# Allegro board Single PMT Data AcquisitionV_3P3.brd (continued)
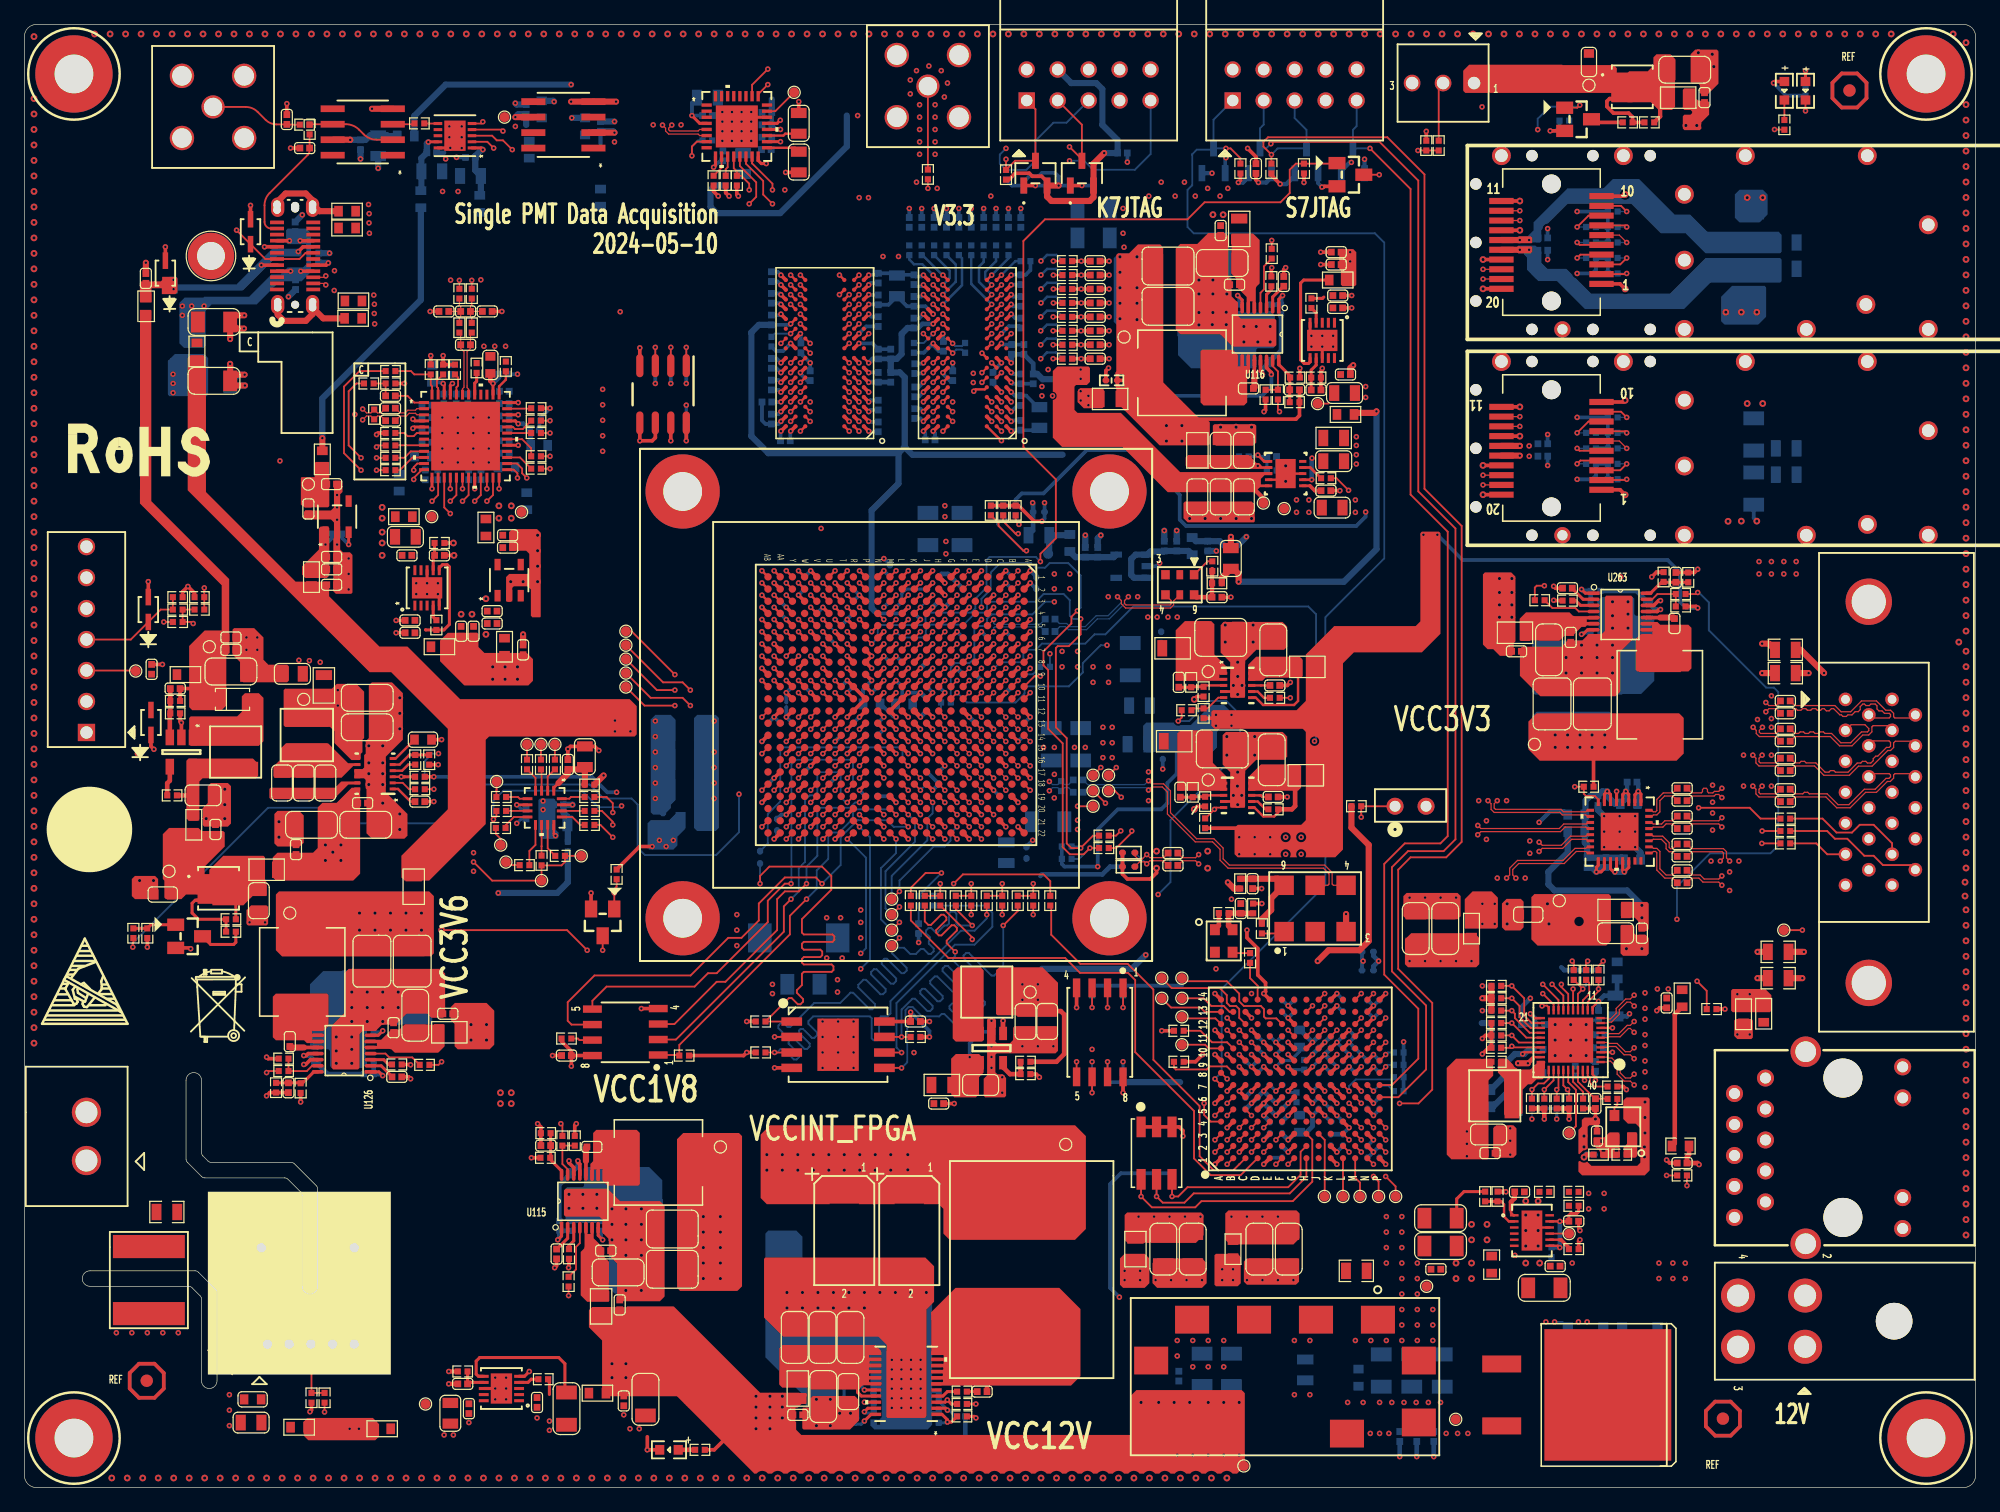
[diagram p0: board, top side]
## Routing (per net, layer and track width the routed paths; a pad name or vN(x,y) marks a point on that pad's centre or on a via; arc(x,y) is an arc through that point) (continued)
DDR3_A_A4: length 87.1
  TOP w0.203: U75.P8 v1(62.83,97.84) ; U76.P8 v1(74.52,97.84) ; U1.V10 v1(64.48,66.19)
  ART03 w0.102: 61.71,97.44 62.43,97.44 v1(62.83,97.84) U75.P8 65.07,97.44 65.87,98.24 69.97,98.24 70.07,98.14 70.07,97.98 70.17,97.88 70.38,97.88 70.48,97.98 70.48,98.14 70.58,98.24 72.24,98.24 73.04,97.44 73.9,97.44 74.3,97.84 v1(74.52,97.84) 74.75,97.84 75.15,97.44 76.15,97.44 76.95,98.24 82.15,98.24 v1(83.36,99.45)
  ART03 w0.165: v1(64.48,66.19) 64.48,65.96 64.01,65.49 64.01,65.06 63.67,64.72 61.06,64.72 60.5,65.28 58.76,65.28 56.13,67.91 56.13,74.45 55.97,74.62 54.91,74.62 54.74,74.79 54.74,75.12 54.91,75.28 55.97,75.28 56.13,75.45 56.13,75.78 55.97,75.94 54.91,75.94 54.74,76.11 54.74,76.44 54.91,76.6 55.97,76.6 56.13,76.77 56.13,77.1 55.97,77.26 54.91,77.26 54.74,77.43 54.74,77.76 54.91,77.92 55.97,77.92 56.13,78.09 56.13,78.42 55.97,78.58 54.91,78.58 54.74,78.75 54.74,79.08 54.91,79.24 55.97,79.24 56.13,79.41 56.13,80.43 56.52,80.81 56.52,84.32 54.96,85.88 54.96,86.43 55.12,86.6 55.36,86.6 55.53,86.76 55.53,87.09 55.36,87.26 55.12,87.26 54.96,87.42 54.96,87.75 55.12,87.92 55.36,87.92 55.53,88.08 55.53,88.41 55.36,88.58 55.12,88.58 54.96,88.74 54.96,93.38 55.2,93.62 55.43,93.62 55.73,93.31 55.97,93.31 56.2,93.55 56.2,93.78 55.9,94.08 55.9,94.32 56.86,95.28 56.86,96.51 57.8,97.44 58.59,97.44 58.87,97.16 59.25,97.16 59.53,97.44 59.91,97.44 60.19,97.16 60.57,97.16 60.85,97.44 61.71,97.44
  BOTTOM w0.203: R464.2 84.61,99.95 83.86,99.95 v1(83.36,99.45)
DDR3_A_A5: length 72.6
  TOP w0.203: U1.AB6 v1(60.48,70.19) ; U75.P2 v1(68.44,97.84) ; U76.P2 v1(80.12,97.84) ; R465.2 v1(84.38,99.44)
  ART06 w0.102: v1(84.38,99.44) 83.87,98.93 82.47,98.93 81.78,98.24 80.52,98.24 v1(80.12,97.84) U76.P2 71.65,97.44 71.46,97.63 71.25,97.63 71.06,97.44 68.84,97.44 v1(68.44,97.84) U75.P2 65.81,97.44 64.14,95.76 64.14,95.37 63.8,95.04 62.61,95.04
  ART06 w0.178: v1(60.48,70.19) 59.8,70.86 59.55,70.86 59.06,70.37 58.81,70.37 58.56,70.63 58.56,70.88 59.05,71.37 59.05,71.62 58.51,72.16 58.51,72.55 58.69,72.73 59.41,72.73 60.3,73.62 60.54,73.62 61.05,74.13 61.05,74.37 61.3,74.62 61.52,74.62 61.91,75.01 61.91,75.51 61.29,76.12 61.29,78.14 60.55,78.88 59.93,78.88 59.3,79.51 59.3,80.68 59.48,80.86 60.71,80.86 60.88,81.04 60.88,81.4 60.71,81.57 59.48,81.57 59.3,81.75 59.3,82.11 59.48,82.28 60.71,82.28 60.88,82.46 60.88,82.82 60.71,83 59.48,83 59.3,83.17 59.3,83.53 59.48,83.71 60.71,83.71 60.88,83.89 60.88,84.24 60.71,84.42 59.48,84.42 59.3,84.6 59.3,84.95 59.48,85.13 60.71,85.13 60.88,85.31 60.88,85.66 60.71,85.84 59.48,85.84 59.3,86.02 59.3,86.26 59.31,86.27 59.31,86.6 59.49,86.78 59.56,86.78 59.74,86.96 59.74,87.31 59.56,87.49 59.49,87.49 59.31,87.67 59.31,87.82 59.49,88 60.45,88 60.63,88.18 60.63,90.79 59.56,91.86 59.56,92.86 61.74,95.04 62.61,95.04
DDR3_A_A6: length 77.7
  TOP w0.203: U1.AA9 v1(61.48,67.19) ; U76.R8 v1(74.52,98.64) ; U75.R8 v1(62.83,98.64)
  ART03 w0.102: v1(83.36,100.59) 81.8,99.04 76.29,99.04 75.48,98.24 75.15,98.24 74.75,98.64 v1(74.52,98.64)
  ART06 w0.102: 61.81,98.24 62.43,98.24 v1(62.83,98.64) U75.R8 71.05,98.24 71.15,98.34 71.15,98.44 71.25,98.54 71.45,98.54 71.56,98.44 71.56,98.34 71.66,98.24 74.12,98.24 v1(74.52,98.64)
  ART06 w0.178: 61.81,98.24 61.63,98.42 59.41,98.42 57.78,96.8 57.37,96.39 57.37,80.29 56.1,79.02 56.1,78.77 56.55,78.32 56.55,78.07 56.3,77.82 56.05,77.82 55.6,78.27 55.35,78.27 55.05,77.97 55.05,77.26 55.23,77.08 56.35,77.08 56.53,76.9 56.53,76.54 56.35,76.37 55.23,76.37 55.05,76.19 55.05,67.97 55.87,67.15 56.21,67.15 56.39,67.33 56.39,68.02 56.57,68.19 56.92,68.19 57.1,68.02 57.1,67.08 57.28,66.9 57.48,66.9 57.66,67.08 57.66,67.52 57.84,67.7 58.19,67.7 58.37,67.52 58.37,67.08 58.55,66.9 58.73,66.9 58.91,67.08 58.91,67.5 59.09,67.68 59.44,67.68 59.62,67.5 59.62,67.08 59.8,66.9 60.16,66.9 60.3,66.76 61.05,66.76 v1(61.48,67.19)
  BOTTOM w0.203: v1(83.36,100.59) 83.86,101.09 84.61,101.09 R466.2
DDR3_A_A7: length 72.9
  TOP w0.203: U75.R2 v1(68.44,98.64) ; U1.AA10 v1(61.48,66.19) ; R467.2 85.11,100.59 v1(84.38,100.59) ; U76.R2 v1(80.12,98.64)
  ART06 w0.102: v1(84.38,100.59) 83.83,100.05 82.33,100.05 81.32,99.04 80.52,99.04 v1(80.12,98.64) 79.72,99.04 68.84,99.04 v1(68.44,98.64)
  ART06 w0.178: v1(68.44,98.64) 66.74,100.33 59.94,100.33 56.4,96.79 56.4,80.69 54.08,78.37 54.08,67.57 56.56,65.1 60.38,65.1 v1(61.48,66.19)
DDR3_A_A8: length 77.8
  TOP w0.203: U1.U11 v1(65.48,65.19) ; U75.T8 v1(62.83,99.44) ; U76.T8 v1(74.52,99.44)
  ART03 w0.102: v1(74.52,99.44) 73.75,100.2 65.1,100.2 63.94,99.04 U75.T8 v1(62.83,99.44) 62.43,99.04 61.68,99.04
  ART03 w0.165: v1(65.48,65.19) 65.48,64.97 64.52,64.01 60.25,64.01 59.97,64.29 58.42,64.29 56.37,66.34 56.14,66.34 56.02,66.22 55.79,66.22 55.56,66.45 55.56,66.69 55.67,66.8 55.67,67.04 55.44,67.27 55.21,67.27 55.09,67.16 54.86,67.16 54.62,67.39 54.62,67.62 54.74,67.74 54.74,67.97 54.51,68.21 54.27,68.21 54.16,68.09 53.92,68.09 53.69,68.32 53.69,68.56 53.8,68.67 53.8,77.25 51.09,79.96 51.09,84.51 51.57,84.99 51.8,84.99 52.19,84.6 52.42,84.6 52.65,84.83 52.65,85.07 52.27,85.45 52.27,85.69 52.57,85.99 52.57,87.62 52.73,87.78 53.14,87.78 53.31,87.95 53.31,88.28 53.14,88.44 52.73,88.44 52.57,88.61 52.57,88.94 52.73,89.1 53.14,89.1 53.31,89.27 53.31,89.6 53.14,89.76 52.73,89.76 52.57,89.93 52.57,92.14 52.73,92.3 53.14,92.3 53.3,92.47 53.3,92.8 53.14,92.97 52.73,92.97 52.57,93.13 52.57,93.7 57.91,99.04 58.5,99.04 58.79,98.75 59.16,98.75 59.45,99.04 59.82,99.04 60.11,98.75 60.48,98.75 60.77,99.04 61.68,99.04
  BOTTOM w0.203: R468.2 72.56,100.71 72.94,100.33 73.63,100.33 v1(74.52,99.44)
DDR3_A_A9: length 65.8
  TOP w0.203: U75.R3 v1(66.83,97.84) ; U76.R3 v1(79.32,98.64) ; U1.AB7 v1(60.48,69.19)
  ART06 w0.102: v1(66.83,97.84) 65.8,97.84 63.8,95.84 61.85,95.84
  ART06 w0.178: 61.85,95.84 61.42,95.4 61.17,95.4 60.59,95.98 60.34,95.98 60.09,95.72 60.09,95.47 60.66,94.9 60.66,94.65 60.35,94.33 60.09,94.33 59.57,94.85 59.32,94.85 59.07,94.6 59.07,94.35 59.59,93.83 59.59,93.58 58.82,92.8 58.82,92.58 59.07,92.32 59.07,91.87 58.82,91.61 58.82,91 58.99,90.82 59.91,90.82 60.09,90.64 60.09,90.29 59.91,90.11 58.99,90.11 58.82,89.93 58.82,89.55 58.99,89.37 59.97,89.37 60.15,89.19 60.15,88.84 59.97,88.66 58.99,88.66 58.82,88.48 58.82,78.73 59.15,78.4 60.35,78.4 60.81,77.94 60.81,75.59 61,75.4 61,74.91 60.79,74.7 59.63,74.7 58,73.07 58,69.53 58.34,69.19 v1(60.48,69.19)
  ART08 w0.102: v1(66.83,97.84) 68.04,99.04 78.92,99.04 v1(79.32,98.64)
  BOTTOM w0.203: R469.2 79.68,100.58 78.79,99.7 78.79,99.17 v1(79.32,98.64)
DDR3_A_A10: length 88.6
  TOP w0.203: U1.R7 v1(67.48,69.19) ; U75.L7 v1(63.63,95.44) ; U76.L7 v1(75.32,95.44)
  ART03 w0.102: 61.48,95.04 63.23,95.04 v1(63.63,95.44) U75.L7 70.7,95.04 70.81,94.94 70.81,94.64 70.91,94.53 71.11,94.53 71.21,94.64 71.21,94.94 71.31,95.04 74.92,95.04 v1(75.32,95.44) 76.92,95.44 77.32,95.84 83.17,95.84 v1(83.34,96.01)
  ART03 w0.165: v1(67.48,69.19) 66.93,69.74 66.93,70.48 66.67,70.74 66.42,70.74 66.04,70.36 66.04,68.87 65.87,68.71 65.15,68.71 65.02,68.83 65.02,70.57 64.86,70.74 64.14,70.74 64.01,70.61 64.01,68.12 63.6,67.72 62.88,67.72 62.71,67.55 62.71,67.16 62.55,67 62.22,67 62.05,67.16 62.05,67.55 61.89,67.72 60.35,67.72 59.12,68.95 59.12,69.23 59.28,69.4 59.97,69.4 60.14,69.56 60.14,69.89 59.97,70.06 59.28,70.06 59.12,70.22 59.12,75.91 59.59,76.38 59.59,76.89 59.42,77.06 59.09,77.06 58.92,77.22 58.92,77.55 59.09,77.72 59.42,77.72 59.59,77.89 59.59,78.22 59.42,78.38 59.09,78.38 58.92,78.55 58.92,78.88 59.09,79.04 59.42,79.04 59.59,79.21 59.59,79.54 59.42,79.7 59.09,79.7 58.92,79.87 58.92,80.2 59.09,80.36 59.42,80.36 59.59,80.53 59.59,80.86 59.42,81.02 59.09,81.02 58.92,81.19 58.92,81.52 59.09,81.68 59.42,81.68 59.59,81.85 59.59,82.18 59.42,82.34 59.09,82.34 58.92,82.51 58.92,82.84 59.09,83 59.42,83 59.59,83.17 59.59,83.5 59.42,83.66 59.09,83.66 58.92,83.83 58.92,84.16 59.09,84.32 59.42,84.32 59.59,84.49 59.59,84.82 59.42,84.98 59.09,84.98 58.92,85.15 58.92,85.48 59.09,85.64 59.42,85.64 59.59,85.81 59.59,86.33 58.69,87.23 58.69,87.3 58.53,87.46 58.12,87.46 57.95,87.63 57.95,87.96 58.12,88.12 58.53,88.12 58.69,88.29 58.69,88.62 58.53,88.78 58.12,88.78 57.95,88.95 57.95,89.28 58.12,89.44 58.53,89.44 58.69,89.61 58.69,89.94 58.53,90.1 58.12,90.1 57.95,90.27 57.95,90.6 58.12,90.76 58.53,90.76 58.69,90.93 58.69,91.26 58.53,91.42 58.12,91.42 57.95,91.59 57.95,91.92 58.12,92.08 58.53,92.08 59.56,93.12 59.56,93.35 59.04,93.87 59.04,94.11 59.27,94.34 59.51,94.34 60.03,93.82 60.26,93.82 60.5,94.05 60.5,94.29 59.97,94.81 59.97,95.04 60.21,95.28 60.44,95.28 60.96,94.75 61.2,94.75 61.48,95.04
  BOTTOM w0.203: R470.2 84.61,96.52 83.85,96.52 v1(83.34,96.01)
DDR3_A_A11: length 78.8
  TOP w0.203: U75.R7 v1(63.63,98.64) ; U1.U10 v1(65.48,66.19) ; U76.R7 v1(75.32,98.64)
  ART03 w0.102: v1(75.32,98.64) 74.92,99.04 73.35,99.04 72.52,99.87 70.49,99.87 70.39,99.77 70.39,99.76 70.29,99.66 70.08,99.66 69.98,99.76 69.98,99.77 69.88,99.87 65.53,99.87 64.3,98.64 v1(63.63,98.64) 63.23,98.24 61.77,98.24
  ART03 w0.165: 61.77,98.24 57.93,98.24 56.08,96.38 56.08,96.15 56.39,95.84 56.39,95.6 56.16,95.37 55.92,95.37 55.61,95.68 55.37,95.68 55.19,95.49 55.19,95.26 55.53,94.92 55.53,94.69 55.3,94.45 55.06,94.45 54.72,94.79 54.49,94.79 53.84,94.15 53.84,92.78 54,92.62 54.29,92.62 54.46,92.45 54.46,92.12 54.29,91.96 54,91.96 53.84,91.79 53.84,90.32 54,90.15 54.05,90.15 54.21,89.99 54.21,89.66 54.05,89.49 54,89.49 53.84,89.33 53.84,88.37 54,88.21 54.3,88.21 54.47,88.04 54.47,87.71 54.3,87.55 54,87.55 53.84,87.38 53.84,85.28 51.56,83 51.56,80.18 54.27,77.46 54.27,74.15 54.44,73.99 55.12,73.99 55.29,73.82 55.29,73.49 55.12,73.33 54.44,73.33 54.27,73.16 54.27,72.83 54.44,72.67 55.12,72.67 55.29,72.5 55.29,72.17 55.12,72.01 54.44,72.01 54.27,71.84 54.27,71.01 55.46,69.82 55.46,67.92 58.57,64.81 59.96,64.81 60.38,64.39 64.39,64.39 65.02,65.02 65.02,65.74 v1(65.48,66.19)
  BOTTOM w0.203: R471.2 75.87,99.8 75.87,99.19 v1(75.32,98.64)
DDR3_A_A12: length 69.7
  TOP w0.203: U75.N7 v1(63.63,97.04) ; U1.AB8 v1(60.48,68.19) ; U76.N7 v1(75.32,97.04)
  ART03 w0.102: v1(63.63,97.04) 66.76,97.04 67.17,97.44 71.55,97.44 71.96,97.03 73.88,97.03 74.3,97.44 74.72,97.44 75.12,97.04 v1(75.32,97.04)
  ART06 w0.102: 61.81,97.44 63.23,97.44 v1(63.63,97.04)
  ART06 w0.178: 61.81,97.44 61.31,97.94 59.61,97.94 57.85,96.19 57.85,79.39 57.03,78.57 57.03,75.86 56.86,75.68 55.76,75.68 55.58,75.51 55.58,75.15 55.76,74.97 56.86,74.97 57.03,74.79 57.03,74.44 56.86,74.26 55.76,74.26 55.58,74.08 55.58,73.73 55.76,73.55 56.86,73.55 57.03,73.37 57.03,73.02 56.86,72.84 55.76,72.84 55.58,72.66 55.58,72.31 55.76,72.13 56.86,72.13 57.03,71.95 57.03,71.59 56.86,71.42 55.76,71.42 55.58,71.24 55.58,70.88 55.76,70.71 56.86,70.71 57.03,70.53 57.03,70.13 56.86,69.95 55.77,69.95 55.6,69.78 55.6,69.42 55.77,69.24 56.86,69.24 57.03,69.06 57.03,68.77 57.61,68.19 v1(60.48,68.19)
  BOTTOM w0.203: R472.2 76.88,100.82 76.88,98.6 v1(75.32,97.04)
DDR3_A_A13: length 67.1
  TOP w0.203: U76.T3 v1(79.32,99.44) ; U75.T3 v1(66.83,99.44) ; U1.AB10 v1(60.48,66.19)
  ART06 w0.102: v1(66.83,99.44) 66.44,99.04 61.55,99.04
  ART06 w0.178: v1(60.48,66.19) 60.37,66.19 59.76,65.58 59.57,65.58 59.39,65.76 59.39,66.09 59.21,66.27 58.86,66.27 58.68,66.09 58.68,65.76 58.5,65.58 58.36,65.58 58.18,65.76 58.18,66.24 58.01,66.42 57.65,66.42 57.47,66.24 57.47,65.76 57.3,65.58 56.76,65.58 54.57,67.77 54.57,78.17 56.62,80.23 56.89,80.49 56.89,96.59 59.34,99.04 59.65,99.04 59.93,99.32 60.37,99.32 60.65,99.04 61.55,99.04
  ART08 w0.102: v1(66.83,99.44) 67.8,99.84 78.35,99.84 v1(79.32,99.44)
  BOTTOM w0.203: R473.2 80.69,100.81 v1(79.32,99.44)
DDR3_A_A14: length 81.2
  TOP w0.203: U76.T7 v1(75.32,99.44) ; U1.T11 v1(66.48,65.19) ; U75.T7 v1(63.63,99.44)
  ART03 w0.102: v1(63.63,99.44) 64.75,100.56 74.2,100.56 v1(75.32,99.44)
  ART03 w0.165: v1(66.48,65.19) 64.91,63.63 57.66,63.63 53.22,68.07 53.22,69.98 53.05,70.14 52.55,70.14 52.38,70.31 52.38,70.64 52.55,70.8 53.05,70.8 53.22,70.97 53.22,71.3 53.05,71.46 52.55,71.46 52.38,71.63 52.38,71.96 52.55,72.12 53.05,72.12 53.22,72.29 53.22,72.62 53.05,72.78 52.55,72.78 52.38,72.95 52.38,73.28 52.55,73.44 53.05,73.44 53.22,73.61 53.22,73.94 53.05,74.1 52.55,74.1 52.38,74.27 52.38,74.6 52.55,74.76 53.05,74.76 53.22,74.93 53.22,75.26 53.05,75.42 52.55,75.42 52.38,75.59 52.38,75.92 52.55,76.08 53.05,76.08 53.22,76.25 53.22,77.05 50.62,79.65 50.62,84.96 51.3,85.64 51.3,93.7 57.55,99.95 63.12,99.95 v1(63.63,99.44)
  BOTTOM w0.203: R474.2 73.65,101.07 75.28,99.44 v1(75.32,99.44)
DDR3_A_A15: length 86.6
  TOP w0.203: U1.V8 v1(64.48,68.19) ; U75.M7 v1(63.63,96.24) ; U76.M7 v1(75.32,96.24)
  ART03 w0.102: v1(83.36,97.16) 82.84,96.64 77.32,96.64 76.92,96.24 v1(75.32,96.24) 74.92,95.84 71.22,95.84 71.12,95.74 71.12,95.56 71.01,95.46 70.81,95.46 70.71,95.56 70.71,95.74 70.61,95.84 U75.M7 v1(63.63,96.24) 62.91,96.24 62.51,95.84
  ART03 w0.165: v1(64.48,68.19) 64.48,67.52 63.63,66.67 60.39,66.67 58.42,68.65 58.42,74.05 58.25,74.21 57.24,74.21 57.07,74.38 57.07,74.71 57.24,74.88 58.25,74.88 58.42,75.04 58.42,75.37 58.25,75.54 57.24,75.54 57.07,75.7 57.07,76.03 57.24,76.2 58.25,76.2 58.42,76.36 58.42,76.69 58.25,76.86 57.24,76.86 57.07,77.02 57.07,77.35 58.45,78.73 58.45,80.11 58.29,80.28 57.62,80.28 57.46,80.44 57.46,80.77 57.62,80.94 58.29,80.94 58.45,81.1 58.45,81.43 58.29,81.6 57.62,81.6 57.46,81.76 57.46,82.09 57.62,82.26 58.29,82.26 58.45,82.42 58.45,82.75 58.29,82.92 57.62,82.92 57.46,83.08 57.46,83.41 57.62,83.58 58.29,83.58 58.45,83.75 58.45,83.93 57.48,84.9 57.48,85.77 57.65,85.93 58.6,85.93 58.76,86.1 58.76,86.43 58.6,86.59 57.65,86.59 57.48,86.76 57.48,87.92 57.32,88.09 56.85,88.09 56.69,88.25 56.69,88.58 56.85,88.75 57.32,88.75 57.48,88.91 57.48,89.24 57.32,89.41 56.85,89.41 56.69,89.57 56.69,89.9 56.85,90.07 57.32,90.07 57.48,90.23 57.48,90.56 57.32,90.73 56.85,90.73 56.69,90.9 56.69,91.23 56.85,91.39 57.32,91.39 57.48,91.56 57.48,91.89 57.32,92.05 56.85,92.05 56.69,92.22 56.69,92.55 56.85,92.71 57.32,92.71 57.48,92.88 57.48,93.21 57.67,93.4 57.9,93.4 58.4,92.9 58.64,92.9 58.87,93.13 58.87,93.36 58.37,93.87 58.37,94.1 59.24,94.97 59.24,95.2 58.79,95.65 58.79,95.88 59.03,96.12 59.26,96.12 59.71,95.67 59.94,95.67 60.08,95.81 62.48,95.81 62.51,95.84
  BOTTOM w0.203: R475.2 84.61,97.66 83.87,97.66 v1(83.36,97.16)
DDR3_A_BA0: length 79.2
  TOP w0.203: U76.M2 v1(80.12,96.24) ; U1.U8 v1(65.48,68.19) ; U75.M2 v1(68.44,96.24) ; R476.2 v1(84.36,94.87)
  ART08 w0.102: 61.64,96.64 64.97,96.64 65.77,95.84 U75.M2 v1(68.44,96.24) 68.84,95.84 U76.M2 v1(80.12,96.24) 80.63,95.73 81.9,95.73 82.28,95.35 83.88,95.35 v1(84.36,94.87)
  ART08 w0.165: v1(65.48,68.19) 65.48,67.79 64.43,66.75 57.87,66.75 52.5,72.12 52.5,78.38 52.92,78.8 55.17,78.8 56.87,80.49 56.87,82.89 55.17,84.58 53.32,84.58 52.5,85.4 52.5,88.06 52.8,88.36 53.04,88.36 53.27,88.13 53.5,88.13 53.74,88.36 53.74,88.6 53.5,88.83 53.5,89.06 54.08,89.64 54.74,89.64 55.21,90.11 55.21,91.58 60.27,96.64 61.64,96.64
DDR3_A_BA1: length 91.2
  TOP w0.203: U75.N8 v1(62.83,97.04) ; U1.T10 v1(66.48,66.19) ; U76.N8 v1(74.52,97.04)
  ART03 w0.102: 61.8,96.64 62.43,96.64 v1(62.83,97.04) U75.N8 70.34,96.64 70.44,96.54 70.44,96.4 70.54,96.3 70.75,96.3 70.85,96.4 70.85,96.54 70.95,96.64 74.12,96.64 v1(74.52,97.04) U76.N8 76.37,96.64 77.17,97.44 82.5,97.44 v1(83.36,98.3)
  ART03 w0.165: v1(66.48,66.19) 65.99,66.67 64.26,66.67 64.01,66.42 64.01,66.04 63.63,65.66 60.41,65.66 59.31,66.75 59.08,66.75 58.63,66.31 58.4,66.31 58.17,66.54 58.17,66.77 58.61,67.22 58.61,67.45 58.38,67.69 58.15,67.69 57.7,67.24 57.47,67.24 57.23,67.47 57.23,67.71 57.68,68.15 57.68,68.39 57.56,68.5 57.56,68.74 57.73,68.9 57.78,68.9 57.95,69.07 57.95,69.4 57.78,69.56 56.77,69.56 56.6,69.73 56.6,70.06 56.77,70.22 57.78,70.22 57.95,70.39 57.95,70.72 57.78,70.88 56.77,70.88 56.6,71.05 56.6,71.38 56.77,71.54 57.78,71.54 57.95,71.71 57.95,72.04 57.78,72.2 56.77,72.2 56.6,72.37 56.6,72.7 56.77,72.87 57.78,72.87 57.95,73.03 57.95,73.36 57.78,73.53 56.77,73.53 56.6,73.69 56.6,77.55 56.99,77.93 56.99,78.9 57.16,79.06 57.78,79.06 57.94,79.23 57.94,79.56 57.78,79.72 57.16,79.72 56.99,79.89 56.99,84.84 56.22,85.62 56.22,86.65 56.38,86.82 56.78,86.82 56.94,86.98 56.94,87.31 56.78,87.48 56.38,87.48 56.22,87.64 56.22,88.85 56.05,89.02 55.59,89.02 55.43,89.18 55.43,89.51 55.59,89.68 56.05,89.68 56.22,89.84 56.22,90.17 56.05,90.34 55.59,90.34 55.43,90.5 55.43,90.83 55.59,91 56.05,91 56.22,91.16 56.22,91.49 56.05,91.66 55.59,91.66 55.43,91.82 55.43,92.16 55.59,92.32 56.05,92.32 56.22,92.49 56.22,92.74 56.73,93.25 56.73,94.48 57.21,94.96 57.44,94.96 57.86,94.54 58.09,94.54 58.33,94.77 58.33,95.01 57.91,95.43 57.91,95.66 58.07,95.83 58.07,96.06 57.69,96.44 57.69,96.67 57.93,96.9 58.16,96.9 58.54,96.53 58.77,96.53 58.88,96.64 61.8,96.64
  BOTTOM w0.203: R477.2 84.61,98.81 83.87,98.81 v1(83.36,98.3)
DDR3_A_BA2: length 77.7
  TOP w0.203: U75.M3 v1(67.64,96.24) ; U76.M3 v1(79.32,96.24) ; U1.W10 v1(63.48,66.19) ; R478.2 v1(84.36,96.01)
  ART08 w0.102: v1(84.36,96.01) 83.73,96.64 79.72,96.64 v1(79.32,96.24) 78.92,96.64 68.04,96.64 v1(67.64,96.24) 66.11,96.24 64.91,97.44 61.52,97.44
  ART08 w0.165: v1(63.48,66.19) 62.97,65.68 58.27,65.68 52.03,71.93 52.03,78.6 52.7,79.27 54.98,79.27 56.4,80.69 56.4,82.69 54.98,84.11 52.68,84.11 52.03,84.77 52.03,88.25 53.89,90.11 54.55,90.11 54.71,90.28 54.71,91.75 60.4,97.44 61.52,97.44
DDR3_A_CAS_B: length 81
  TOP w0.203: U75.K3 v1(67.64,94.64) ; U1.R6 v1(67.48,70.19) ; U76.K3 v1(79.32,94.64)
  ART08 w0.102: v1(83.34,92.58) 82.98,92.58 81.32,94.24 79.72,94.24 v1(79.32,94.64) 78.92,94.24 68.04,94.24 v1(67.64,94.64) 67.24,95.04 62.53,95.04
  ART08 w0.165: v1(67.48,70.19) 67.01,69.72 65.25,69.72 64.97,69.44 64.97,68.94 64.8,68.76 57.19,68.76 54.69,71.26 54.69,72.65 54.53,72.81 53.63,72.81 53.47,72.98 53.47,73.31 53.63,73.47 54.53,73.47 54.69,73.64 54.69,73.82 54.53,73.98 53.7,73.98 53.54,74.15 53.54,74.48 53.7,74.64 54.53,74.64 54.69,74.81 54.69,75.79 54.86,75.96 56.06,75.96 56.23,76.12 56.23,76.45 56.06,76.62 54.86,76.62 54.69,76.78 54.69,76.99 57.81,80.11 57.81,83.28 55.41,85.68 55.41,86.74 55.24,86.91 54.42,86.91 54.25,87.07 54.25,87.4 54.42,87.57 55.24,87.57 55.41,87.73 55.41,88.59 56.96,90.14 56.96,91.98 59.06,94.08 59.29,94.08 59.54,93.83 59.77,93.83 60,94.06 60,94.3 59.76,94.54 59.76,94.78 60.02,95.04 62.53,95.04
  BOTTOM w0.203: R481.2 84.61,93.09 83.85,93.09 v1(83.34,92.58)
DDR3_A_CKE: length 85.5
  TOP w0.152: U76.K9 v1(73.72,94.64) ; U75.K9 v1(62.03,93.84)
  TOP w0.203: U1.U6 v1(65.48,70.19)
  ART03 w0.102: v1(62.03,93.84) U75.K9 64.27,94.24 64.27,94.24 64.6,94.24 64.6,94.24 69.85,94.24 69.95,94.14 69.95,93.98 70.05,93.88 70.25,93.88 70.36,93.98 70.36,94.14 70.46,94.24 73.32,94.24 v1(73.72,94.64) 74.12,94.24 76.92,94.24 77.72,95.04 83.17,95.04 v1(83.34,94.87)
  ART08 w0.165: v1(65.48,70.19) 65.11,70.19 64.57,69.65 60.22,69.65 60.05,69.81 60.05,70.79 59.89,70.95 57.72,70.95 57.55,71.12 57.55,71.45 57.72,71.61 59.89,71.61 60.05,71.78 60.05,72.29 59.72,72.62 58.75,72.62 58.13,73.24 58.13,73.66 57.96,73.83 57.29,73.83 57.12,73.99 57.12,74.33 57.29,74.49 57.96,74.49 58.13,74.66 58.13,74.99 57.96,75.15 57.29,75.15 57.12,75.32 57.12,75.65 57.29,75.81 57.96,75.81 58.13,75.98 58.13,76.58 57.96,76.75 57.12,76.75 56.96,76.91 56.96,77.24 57.12,77.41 57.96,77.41 58.13,77.57 58.13,77.9 57.96,78.07 57.12,78.07 56.96,78.23 56.96,78.56 57.12,78.73 57.96,78.73 58.13,78.89 58.13,79.66 58.28,79.81 58.28,84.08 57.43,84.93 57.43,86.47 57.59,86.63 58.97,86.63 59.13,86.8 59.13,87.13 58.97,87.29 57.59,87.29 57.43,87.46 57.43,87.79 57.59,87.95 58.97,87.95 59.13,88.12 59.13,88.45 58.97,88.61 57.59,88.61 57.43,88.78 57.43,89.11 57.59,89.27 58.97,89.27 59.13,89.44 59.13,89.77 58.97,89.93 57.59,89.93 57.43,90.1 57.43,90.43 57.59,90.59 58.97,90.59 59.13,90.76 59.13,91.09 58.97,91.25 57.59,91.25 57.43,91.42 57.43,91.79 59,93.36 60.49,93.36 60.99,93.85 62.02,93.85 v1(62.03,93.84)
  BOTTOM w0.203: R483.2 84.61,95.38 83.85,95.38 v1(83.34,94.87)
DDR3_A_CLK0_N: length 74.3
  TOP w0.165: v1(76.12,93.84) 76.12,93.84 U76.K7 ; U75.K7 v1(64.43,93.84) ; U1.Y7 v1(62.48,68.19)
  ART03 w0.102: 59.77,70.97 59.77,70.95 59.77,70.94 59.77,70.88 59.9,70.76 59.91,70.76 60.07,70.59 62.77,70.59 62.88,70.48 62.88,69.75 62.87,69.75 62.87,69.72
  ART03 w0.114: v1(62.48,68.19) 62.75,68.19 62.87,68.31 62.87,69.72 ; 59.77,70.97 59.77,75.35 60.24,75.82 60.24,79.18 60.48,79.42 62,79.42 62.11,79.53 62.11,79.99 62,80.11 60.48,80.11 60.24,80.35 60.24,80.9 60.48,81.14 62.25,81.14 62.36,81.25 62.36,81.71 62.25,81.82 60.48,81.82 60.24,82.06 60.24,82.7 60.48,82.94 62.25,82.94 62.36,83.06 62.36,83.51 62.25,83.63 60.48,83.63 60.24,83.87 60.24,84.34 60.48,84.58 61.64,84.58 61.76,84.7 61.76,85.15 61.64,85.27 60.48,85.27 60.24,85.51 60.24,85.97 60.48,86.21 61.27,86.21 61.38,86.33 61.38,86.69 61.39,86.7 61.39,86.88 61.27,86.99 59.85,86.99 59.61,87.23 59.61,87.87 59.85,88.11 61.27,88.11 61.39,88.22 61.39,88.67 61.27,88.78 59.58,88.78 59.34,89.02 59.34,89.63 59.58,89.87 61.01,89.87 61.13,89.99 61.13,90.45 61.01,90.56 59.58,90.56 59.34,90.8 59.34,91.45 59.65,91.76 61.27,91.76 61.39,91.87 61.39,92.05 61.27,92.16 60.48,92.16 60.24,92.4 60.24,92.88 60.64,93.28 63.42,93.28 63.69,93.55 64.06,93.55 64.14,93.55 v1(64.43,93.84) 64.73,93.55 65.49,93.55 66.92,93.55 67.35,93.11 69.79,93.11 70.03,92.87 70.03,92.62 70.15,92.5 70.61,92.5 70.72,92.62 70.72,92.87 70.96,93.11 74.94,93.11 75.38,93.54 75.66,93.54 75.83,93.55 v1(76.12,93.84)
  BOTTOM w0.165: R488.2 76.88,93.62 76.34,93.62 v1(76.12,93.84)
DDR3_A_CLK0_P: length 73.9
  TOP w0.165: U75.J7 v1(64.43,93.04) ; U1.Y8 v1(63.48,68.19) ; U76.J7 v1(76.12,93.04)
  ART03 w0.102: 63.08,69.72 63.08,69.75 63.08,69.75 63.08,70.57 62.85,70.79 60.15,70.79 59.98,70.97
  ART03 w0.114: 59.98,70.97 59.98,75.26 60.45,75.73 60.45,79.09 60.57,79.2 62.09,79.2 62.33,79.44 62.33,80.08 62.09,80.32 60.57,80.32 60.45,80.44 60.45,80.81 60.57,80.92 62.34,80.92 62.58,81.16 62.58,81.8 62.34,82.04 60.57,82.04 60.45,82.15 60.45,82.61 60.57,82.73 62.34,82.73 62.58,82.97 62.58,83.6 62.34,83.84 60.57,83.84 60.45,83.96 60.45,84.25 60.57,84.37 61.73,84.37 61.97,84.61 61.97,85.24 61.73,85.48 60.57,85.48 60.45,85.6 60.45,85.88 60.57,86 61.36,86 61.6,86.24 61.6,86.6 61.61,86.61 61.61,86.97 61.36,87.21 59.94,87.21 59.82,87.32 59.82,87.78 59.94,87.89 61.36,87.89 61.61,88.13 61.61,88.76 61.36,89 59.67,89 59.56,89.11 59.56,89.54 59.67,89.66 61.1,89.66 61.34,89.9 61.34,90.53 61.1,90.78 59.67,90.78 59.56,90.89 59.56,91.36 59.74,91.54 61.36,91.54 61.61,91.79 61.61,92.14 61.36,92.38 60.57,92.38 60.45,92.49 60.45,92.79 60.73,93.06 63.51,93.06 63.78,93.33 64.06,93.33 64.14,93.33 v1(64.43,93.04) 64.73,93.33 65.49,93.33 66.83,93.33 67.26,92.9 69.7,92.9 69.82,92.78 69.82,92.53 70.06,92.29 70.7,92.29 70.94,92.53 70.94,92.78 71.05,92.9 75.03,92.9 75.47,93.33 75.66,93.33 75.83,93.33 v1(76.12,93.04) ; 63.08,69.72 63.08,68.31 63.2,68.19 v1(63.48,68.19)
  BOTTOM w0.165: v1(76.12,93.04) 76.41,93.33 76.88,93.33 R488.1
DDR3_A_D0: length 22.9
  TOP w0.203: U75.E3 v1(67.64,89.84) ; U1.W1 v1(63.48,75.19)
  ART08 w0.102: v1(67.64,89.84) 67.93,89.84 68.04,89.74 68.04,86.04
  ART08 w0.165: v1(63.48,75.19) 63.97,74.7 64.64,74.7 65.2,75.26 65.2,77.72 65.77,78.29 65.77,79 65.93,79.17 66.64,79.17 66.8,79.33 66.8,79.66 66.64,79.83 65.93,79.83 65.77,79.99 65.77,80.32 65.93,80.49 66.64,80.49 66.8,80.65 66.8,80.98 66.64,81.15 65.93,81.15 65.77,81.31 65.77,83.21 68.04,85.48 68.04,86.04
DDR3_A_D1: length 24.4
  TOP w0.203: U75.F7 v1(63.63,90.64) ; U1.AA3 v1(61.48,73.19)
  ART08 w0.102: 62.43,86.43 62.43,86.81 62.67,87.04 63,87.04 63.23,87.27 63.23,89.21 63.47,89.44 63.8,89.44 64.03,89.67 64.03,90.12 63.63,90.52 v1(63.63,90.64)
  ART08 w0.165: v1(61.48,73.19) 60.9,73.77 60.9,78.83 60.36,79.37 60.36,83 60.53,83.16 61.05,83.16 61.21,83.33 61.21,83.66 61.05,83.82 60.53,83.82 60.36,83.99 60.36,84.36 61.29,85.29 61.53,85.29 62.06,84.75 62.37,84.75 62.53,84.92 62.53,85.22 61.99,85.75 61.99,85.99 62.43,86.43
DDR3_A_D2: length 27.1
  TOP w0.203: U75.F2 v1(68.44,90.64) ; U1.W5 v1(63.48,71.19)
  ART08 w0.102: 68.84,86.03 68.84,90.24 v1(68.44,90.64)
  ART08 w0.165: v1(63.48,71.19) 64.01,71.72 64.01,72.33 64.3,72.62 65.76,72.62 65.94,72.8 65.94,76.29 66.1,76.45 66.1,76.68 65.68,77.1 65.68,77.34 65.91,77.57 66.15,77.57 66.57,77.15 66.8,77.15 67.27,77.62 67.27,81.27 68.51,82.5 68.51,83.32 68.34,83.49 67.66,83.49 67.49,83.65 67.49,83.98 67.66,84.15 68.34,84.15 68.51,84.31 68.51,85.7 68.84,86.03
DDR3_A_D3: length 22.3
  TOP w0.203: U1.AA1 v1(61.48,75.19)
  TOP w0.244: U75.F8 v1(62.83,90.64)
  ART08 w0.102: 63.23,86.3 63.23,86.81 64.03,87.61 64.03,89.21 64.39,89.56 64.39,90.6 63.95,91.04 ; v1(62.83,90.64) U75.F8 63.88,91.04
  ART08 w0.165: 63.88,91.04 63.95,91.04 ; v1(61.48,75.19) 61.48,79.61 61.85,79.99 61.85,80.38 61.68,80.55 61,80.55 60.83,80.71 60.83,81.04 61,81.21 61.68,81.21 61.85,81.37 61.85,81.7 61.68,81.87 61.39,81.87 61.23,82.03 61.23,82.36 61.39,82.53 61.68,82.53 61.85,82.69 61.85,83.4 63,84.56 63,86.06 63.23,86.3
DDR3_A_D4: length 25.5
  TOP w0.203: U75.H3 v1(67.63,92.24) ; U1.AA4 v1(61.48,72.19)